# Allegro board reComputer Industrial J201_V1.2.brd (continued)
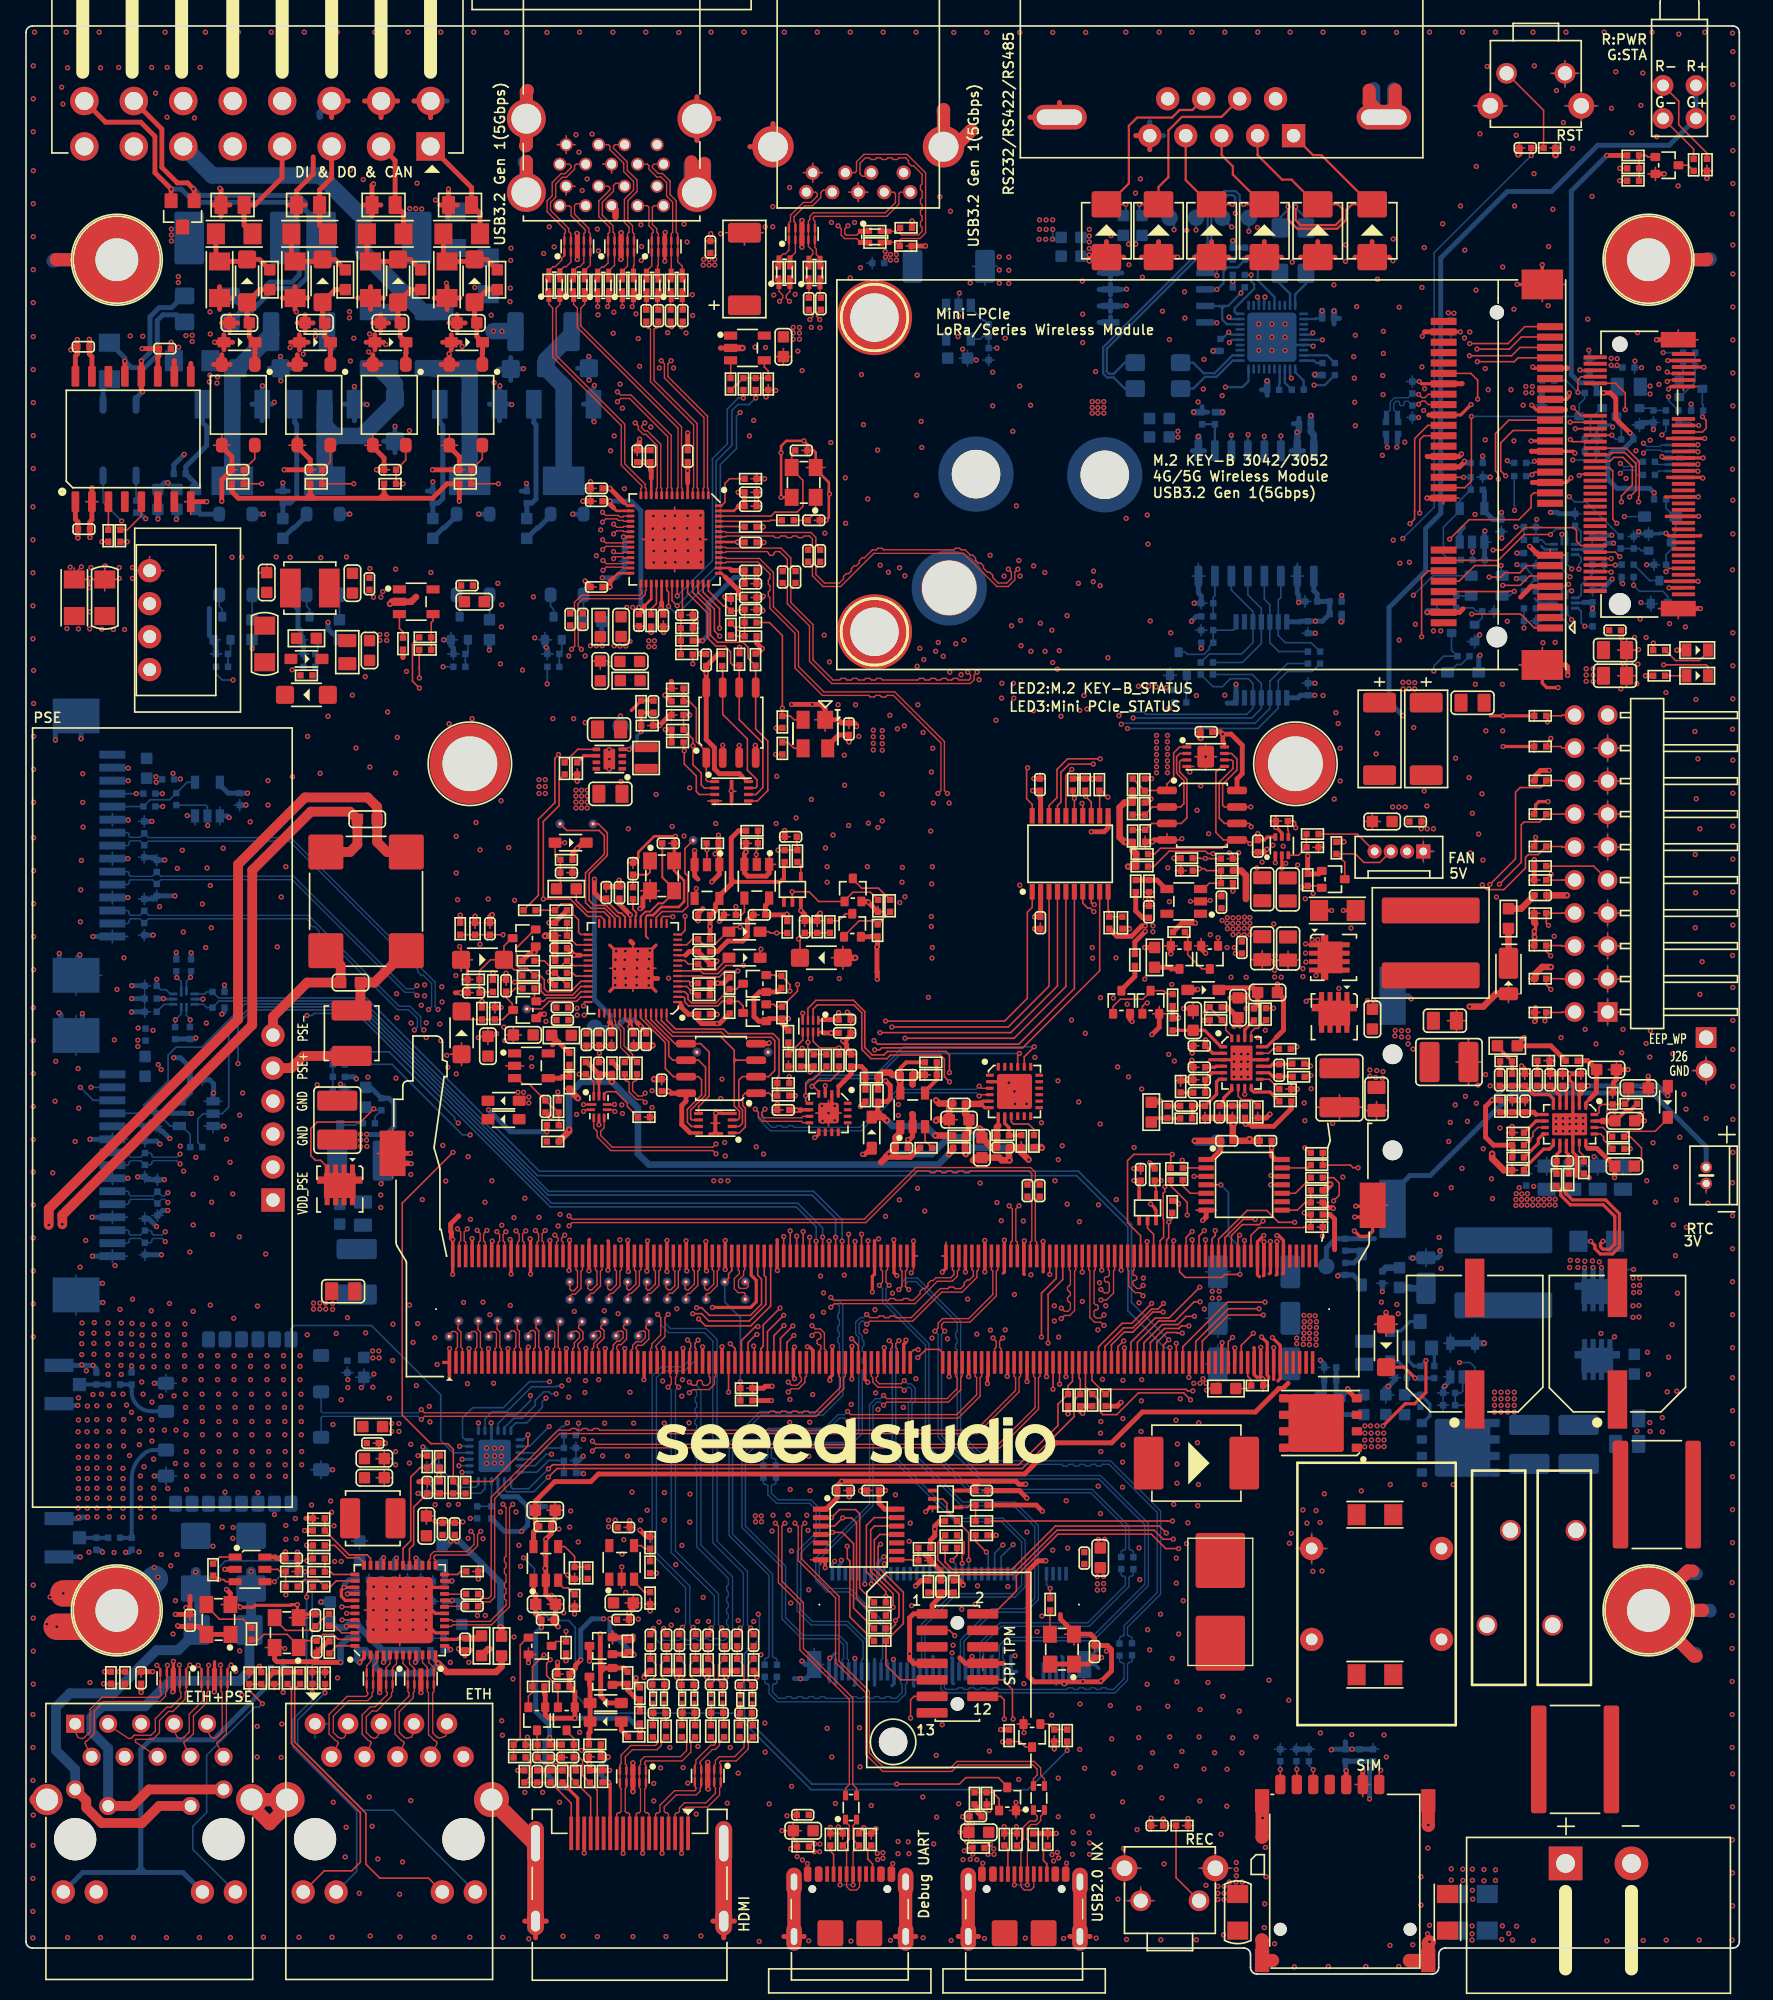
[diagram p0: board, top side]
## Routing (per net, layer and track width the routed paths; a pad name or vN(x,y) marks a point on that pad's centre or on a via; arc(x,y) is an arc through that point) (continued)
GND_DI: length 98.1
  TOP w0.381: 20.88,127.14 C11.2 ; C11.2 22.12,127.14 ; C11.2 21.5,127.76 ; C11.2 21.5,126.51 ; 14.57,125.65 D15.1 ; D15.1 15.93,125.65 ; D15.1 15.25,125.07 ; D15.1 15.25,126.23 ; R9.2 v1(32.55,137.43) ; R9.2 31.87,136.22 ; R9.2 33.24,136.22 ; R9.2 32.55,135.34 ; Q4.2 26.72,124.69 ; Q4.2 26.09,123.94 ; Q4.2 27.35,123.94 ; D18.1 32.77,126.23 ; D18.1 32.77,125.07 ; D18.1 32.1,125.65 ; D18.1 33.45,125.65 ; 31.45,129.05 R26.2 ; R26.2 33.43,129.05 ; R26.2 32.44,128.17 ; R26.2 32.44,129.93 ; D17.1 27.56,125.65 ; D17.1 26.88,125.07 ; D17.1 26.2,125.65 ; D17.1 26.88,126.23 ; 25.55,129.05 R24.2 ; R24.2 26.55,129.93 ; R24.2 27.54,129.05 ; R24.2 26.55,128.17 ; 20.84,135.34 R7.2 ; R7.2 20.84,137.32 22.13,138.61 22.13,139.92 ; R7.2 21.53,136.22 ; R7.2 20.16,136.22 ; 15.06,127.14 C10.2 ; C10.2 15.69,127.76 ; C10.2 15.69,126.51 ; C10.2 16.31,127.14 ; R8.2 27.35,136.22 ; R8.2 25.97,136.22 ; R8.2 26.66,135.34 ; R8.2 26.66,137.73 v1(26.78,137.84) ; 31.17,142.94 J2.2 29.89,144.22 ; C12.2 27.32,127.76 ; C12.2 26.7,127.14 ; C12.2 27.32,126.51 ; C12.2 27.94,127.14 ; 21.07,125.07 D16.1 ; D16.1 20.39,125.65 ; D16.1 21.07,126.23 ; D16.1 21.74,125.65 ; 19.74,129.05 R22.2 ; R22.2 20.73,128.17 ; R22.2 20.73,129.93 ; R22.2 21.72,129.05 ; R20.2 14.91,129.93 ; R20.2 14.91,128.17 ; R20.2 15.9,129.05 ; 14.45,123.94 Q2.2 ; Q2.2 15.09,124.69 ; Q2.2 15.72,123.94 ; 24.83,144.22 J2.6 23.55,142.94 ; 14.34,136.22 R6.2 ; R6.2 15.03,137.4 v1(14.93,137.5) ; R6.2 15.71,136.22 ; R6.2 15.03,135.34 ; Q3.2 20.9,124.69 ; Q3.2 21.54,123.94 ; Q3.2 20.27,123.94 ; C13.2 33.21,127.76 ; C13.2 33.83,127.14 ; C13.2 32.59,127.14 ; C13.2 33.21,126.51 ; J2.4 28.64,144.22 ; J2.4 26.08,144.22 ; J2.4 27.36,142.94 ; Q5.2 33.25,123.94 ; Q5.2 31.98,123.94 ; Q5.2 32.61,124.69
  GND02 w0.381: 26.08,144.22 J2.4 ; J2.4 27.36,142.94 ; J2.4 28.64,144.22 ; 31.17,142.94 J2.2 29.89,144.22 ; 24.83,144.22 J2.6 23.55,142.94
  LAY3 w0.381: 31.17,142.94 J2.2 29.89,144.22 ; J2.4 28.64,144.22 ; J2.4 26.08,144.22 ; J2.4 27.36,142.94 ; 24.83,144.22 J2.6 23.55,142.94
  BOTTOM w0.381: 23.55,142.94 J2.6 24.83,144.22 ; 29.89,144.22 J2.2 ; J2.2 31.17,142.94 ; J2.2 32.45,144.22 ; 27.36,142.94 J2.4 ; J2.4 28.64,144.22 ; J2.4 26.08,144.22
  BOTTOM w0.508: J2.6 22.64,143.31 22.64,143.02
  vias: v1(14.18,127.99) v1(14.2,126.28) v1(14.53,125.65) v1(20.35,125.24) v1(20.83,127.99) v1(21.37,124.73) v1(25.01,138.93) v1(25,124.2) v1(25.25,125.95) v1(25.99,138.17) v1(26.39,124.91) v1(26.47,126.28) v1(27.72,125.47) v1(30.13,137.89) v1(31.55,136.6) v1(32.39,130.2) v1(32.59,124.76) v1(33.61,125.32)
GND_DO: length 42.5
  PWR05 w1.27: 16.95,142.84 15.93,143.86 J2.10 ; J2.10 15.91,144.22 15.04,143.35 ; J2.10 J2.8 19.74,143.53 18.83,142.62
  BOTTOM w0.381: Q31.3 18.2,122.16 ; Q31.3 18.98,120.88 ; Q31.3 17.42,120.88 ; Q31.3 18.2,119.6 ; 43.72,119.6 Q28.3 ; Q28.3 42.95,120.88 ; Q28.3 43.72,122.16 ; 27.55,118.02 D62.1 ; D62.1 28.43,118.9 ; D62.1 28.43,117.15 ; D62.1 29.3,118.02 ; 30.92,114.19 R312.2 31.35,114.62 ; D64.1 38.22,123.59 ; D64.1 37.35,122.71 ; D64.1 36.47,123.59 ; D64.1 37.35,124.47 ; 25.31,119.6 Q30.3 ; Q30.3 25.31,122.16 ; Q30.3 24.53,120.88 ; Q30.3 26.09,120.88 ; D61.1 43.37,124.52 ; D61.1 43.37,122.76 ; D61.1 42.49,123.64 ; 35.71,120.88 Q29.3 ; Q29.3 36.49,119.6 ; Q29.3 37.26,120.88 ; Q29.3 36.49,122.16 ; 19.62,122.76 D63.1 ; D63.1 20.49,123.64 ; D63.1 18.74,123.64 ; D63.1 19.62,124.52 ; R313.2 19.79,114.62 ; R313.2 19.36,114.19 ; R313.2 20.22,114.19 ; R314.2 11.39,116.21 v1(12.2,117.01) ; 38.58,114.62 R311.2 38.16,114.19
  vias: v1(14.18,123.11) v1(14.13,122.6) v1(14.71,122.5) v1(14.76,122.98) v1(18.22,122.3) v1(19.13,121.03) v1(19.61,124.56) v1(19.64,122.68) v1(19.79,114.83) v1(25.3,122.25) v1(26.27,120.85) v1(28.43,119.17) v1(29.54,118.84) v1(31.35,114.9) v1(34.57,129.87) v1(35.84,127.73) v1(36.07,122.55) v1(36.5,122.3) v1(37.32,129.81) v1(37.29,128.77) v1(37.42,120.85) v1(38.33,123.62) v1(38.56,114.78) v1(43.36,124.56) v1(43.39,122.73) v1(43.79,122.32) v1(43.77,119.53)
GND_ISO: length 16.9
  TOP w0.381: U7.10 11.43,124.22 11.43,124.23 ; U7.15 5.08,124.54 4.89,124.74 C14.2 v1(4.89,125.87) ; 12.7,124.02 U7.9
  GND02 w0.381: 12.12,142.94 J2.12 ; J2.12 10.84,144.22 ; J2.12 12.12,145.5 ; J2.12 13.4,144.22
  GND02 w0.762: 8.26,102.53 9.08,102.53 U10.3 9.03,103.47 8.13,103.47
  GND02 w1.016: 10.77,142.97 v1(10.87,142.97) J2.12
  BOTTOM w0.127: 79.36,133.49 79.15,133.49 v1(79.07,133.57) ; 79.36,133.49 79.7,133.49 79.78,133.42 ; 79.36,133.49 79.36,133.52 79.1,133.78 v1(79.1,134.34)
  vias: v1(2.75,145.28) v1(2.85,143.99) v1(3.2,146.78) v1(3.15,103.6) v1(4.04,103.58) v1(4.47,146.78) v1(4.91,104.9) v1(4.91,103.58) v1(5.74,146.78) v1(5.85,103.55) v1(6.73,103.53) v1(7.14,146.81) v1(7.6,103.53) v1(8.03,126.13) v1(8.41,146.81) v1(9,126.11) v1(9.68,146.81) v1(9.99,144.83) v1(10.88,146.81) v1(11.21,134.36) v1(11.21,133.9) v1(11.21,133.45) v1(11.18,125.65) v1(11.76,125.27) v1(12.15,146.81) v1(12.32,126.16) v1(12.81,126.18) v1(12.81,125.7) v1(12.98,142.92) v1(13.42,146.81) v1(21.7,95.3) v1(23.27,96.85) v1(25.15,98.47) v1(26.14,99.89) v1(29.57,135.94) v1(30.03,135.94) v1(30.48,135.91) v1(78.08,135.07) v1(78.08,134.34) v1(78.06,133.57) v1(78.59,135.07) v1(78.59,134.34) v1(78.57,133.57) v1(79.1,135.07)
GND_SHD: length 754.6
  TOP w0.381: 81.98,2.89 J19.S3 80.42,2.89 ; 55.77,140.71 J3.10 57.55,142.48 ; J4.20 51.69,144.54 ; J4.20 51.69,141.18 ; J4.20 53.37,142.86 ; J16.22 54.59,4.07 ; J16.22 53.76,2.8 ; J16.22 52.93,4.07 ; 59.95,2.89 J18.S1 58.39,2.89 ; 73.38,2.89 J19.S1 71.82,2.89 ; 79.62,144.1 J1.10 77.34,142.97 ; J16.23 40.09,4.07 ; J16.23 39.26,2.8 ; J16.23 38.43,4.07 ; 68.55,2.89 J18.S3 66.99,2.89
  TOP w1.016: 51.26,139.54 51.26,137.61 J4.19 52.25,137.74 52.25,139.42 ; 105.49,145.08 105.49,143.85 J1.11 103.48,144.1 103.48,145.06 ; J18.S1 J18.S2 ; 129.49,132.05 129.44,132 MH2.1 ; 38.48,140.76 38.55,140.83 J4.21 38.55,144.94 38.64,145.03 ; MH8.1 129.15,28 129.16,28.01 ; MH8.1 128.52,24.48 128.68,24.48 ; MH8.1 128.03,31.03 128.4,31.03 ; J18.S3 J18.S4 ; 108.06,11.45 v1(108.04,11.47) J15.G2 ; J4.22 38.55,139.56 38.56,139.57 ; v1(108.13,2.48) 108.04,2.39 J15.G3 106.59,1.04 106.58,1.04 ; 2.34,132.02 2.36,132 MH1.1 ; 0.79,13.43 0.79,13.43 J13.19 ; J19.S3 J19.S4 ; J19.S1 J19.S2 ; 70.69,143.56 70.69,143.55 J3.11 71.58,140.71 72.83,141.96 ; 95.23,10.53 95.24,10.54 J15.G1 ; 95.2,2.64 95.24,2.6 J15.G4 96.04,1.04 ; J14.15 20.11,12.91 18.77,11.58 17.38,12.97 J13.20 J14.15
  TOP w1.27: J16.22 J16.20 ; J16.23 J16.21 39.22,10.07 J14.16
  TOP w2.032: v1(2.87,29.31) 5.69,29.31 MH7.1 5.74,26.74 v1(2.37,26.74)
  GND02 w0.381: 71.82,2.89 J19.S1 73.38,2.89 ; 80.42,2.89 J19.S3 81.98,2.89 ; 39.26,2.8 J16.23 ; J16.23 40.09,4.07 ; J16.23 38.43,4.07 ; 53.76,2.8 J16.22 ; J16.22 52.93,4.07 ; J16.22 54.59,4.07 ; 51.69,141.18 J4.20 ; J4.20 51.69,144.54 ; J4.20 53.37,142.86 ; 58.39,2.89 J18.S1 59.95,2.89 ; 66.99,2.89 J18.S3 68.55,2.89 ; 79.62,144.1 J1.10 77.34,142.97 ; 55.77,140.71 J3.10 57.55,142.48 ; 38.55,144.54 J4.21 38.55,141.18
  GND02 w1.016: J4.22 38.56,137.19 38.56,139.52 ; MH1.1 6.95,131.95 2.11,131.95 ; J18.S1 J18.S2 ; 129.65,131.95 125.05,131.95 MH2.1 ; MH8.1 128.42,24.58 128.5,24.58 ; MH8.1 129.05,28 129.21,27.83 ; MH8.1 127.88,30.88 128.76,30.88 ; J19.S1 J19.S2 ; 70.46,143.68 70.69,143.46 J3.11 71.45,140.71 72.8,142.06 ; 105.54,145.26 105.54,143.9 J1.11 103.53,144.05 103.53,145.16 ; J19.S3 J19.S4 ; 51.36,139.49 51.36,137.51 J4.19 52.23,137.72 52.23,139.44 ; J18.S3 J18.S4 ; 17.38,12.97 18.77,11.58 20.11,12.91 J14.15 J13.20 17.38,12.97
  GND02 w1.27: J16.23 J16.21 39.22,10.07 J14.16 ; J16.22 J16.20
  GND02 w2.032: v1(2.87,29.31) 5.69,29.31 MH7.1 5.74,26.74 v1(2.37,26.74)
  LAY3 w0.381: 73.38,2.89 J19.S1 71.82,2.89 ; 59.95,2.89 J18.S1 58.39,2.89 ; 38.55,144.54 J4.21 38.55,141.18 ; J16.22 54.59,4.07 ; J16.22 52.93,4.07 ; J16.22 53.76,2.8 ; 81.98,2.89 J19.S3 80.42,2.89 ; 55.77,140.71 J3.10 57.55,142.48 ; J4.20 51.69,144.54 ; J4.20 51.69,141.18 ; J4.20 53.37,142.86 ; 66.99,2.89 J18.S3 68.55,2.89 ; 77.34,142.97 J1.10 79.62,144.1 ; J16.23 40.09,4.07 ; J16.23 39.26,2.8 ; J16.23 38.43,4.07
  LAY3 w1.016: 2.34,132.07 6.93,132.07 MH1.1 ; J18.S3 J18.S4 ; 129.57,131.97 125.03,131.97 MH2.1 ; J18.S1 J18.S2 ; 105.67,145.08 105.67,144.03 J1.11 103.56,144.03 103.56,145.36 ; J19.S1 J19.S2 ; 72.9,142.16 71.45,140.71 J3.11 70.69,143.55 70.72,143.58 ; 128.53,31.08 128.08,31.08 MH8.1 ; J19.S3 J19.S4 ; 128.58,24.63 128.37,24.63 MH8.1 ; MH8.1 129.12,28 129.26,27.86 ; J4.22 38.56,137.19 38.56,139.52 ; 52.18,139.42 52.18,137.67 J4.19 51.26,137.61 51.26,139.29 ; 17.38,12.97 J13.20 J14.15 20.11,12.91 18.77,11.58 17.38,12.97
  LAY3 w1.27: J14.16 39.22,10.07 J16.21 J16.23 ; J16.22 J16.20
  LAY3 w2.032: v1(2.87,29.31) 5.69,29.31 MH7.1 5.74,26.74 v1(2.37,26.74)
  LAY4 w0.381: 55.77,140.71 J3.10 57.55,142.48 ; 66.99,2.89 J18.S3 68.55,2.89 ; 53.76,2.8 J16.22 ; J16.22 54.59,4.07 ; J16.22 52.93,4.07 ; 79.62,144.1 J1.10 77.34,142.97 ; 38.43,4.07 J16.23 ; J16.23 40.09,4.07 ; J16.23 39.26,2.8 ; 59.95,2.89 J18.S1 58.39,2.89 ; J4.20 51.69,144.54 ; J4.20 51.69,141.18 ; J4.20 53.37,142.86 ; 71.82,2.89 J19.S1 73.38,2.89 ; 38.55,141.18 J4.21 38.55,144.54 ; 80.42,2.89 J19.S3 81.98,2.89
  LAY4 w1.016: MH8.1 128.54,24.46 129.04,24.46 ; MH8.1 127.7,30.7 129.09,30.7 ; MH8.1 129.38,28 129.39,28.01 ; 2.34,132 7,132 MH1.1 ; MH2.1 125,132 129.52,132 ; 38.71,139.69 38.71,137.34 J4.22 ; J18.S1 J18.S2 ; 105.64,145.18 105.64,144 J1.11 103.66,143.93 103.66,145.28 ; J19.S3 J19.S4 ; 72.75,142.01 71.45,140.71 J3.11 70.69,143.33 70.79,143.43 ; MH7.1 0.83,28 0.82,28.01 ; 51.21,139.44 51.21,137.66 J4.19 52.25,137.74 52.25,139.36 ; J19.S1 J19.S2 ; J18.S3 J18.S4 ; 20.11,12.91 J14.15 J13.20 17.38,12.97 18.77,11.58 20.11,12.91
  LAY4 w1.27: J14.16 39.22,10.07 J16.21 J16.23 ; J16.22 J16.20
  LAY4 w2.032: MH7.1 5.89,26.89 2.24,26.89 ; MH7.1 5.97,29.03 v1(1.86,29.03) ; MH7.1 7.59,28 v1(10.16,30.58)
  PWR05 w0.381: 66.99,2.89 J18.S3 68.55,2.89 ; 59.95,2.89 J18.S1 58.39,2.89 ; 79.62,144.1 J1.10 77.34,142.97 ; 73.38,2.89 J19.S1 71.82,2.89 ; J4.20 51.69,144.54 ; J4.20 53.37,142.86 ; J4.20 51.69,141.18 ; J16.23 40.09,4.07 ; J16.23 39.26,2.8 ; J16.23 38.43,4.07 ; 55.77,140.71 J3.10 57.55,142.48 ; J16.22 54.59,4.07 ; J16.22 53.76,2.8 ; J16.22 52.93,4.07 ; 80.42,2.89 J19.S3 81.98,2.89 ; 38.55,144.54 J4.21 38.55,141.18
  PWR05 w1.016: 128.73,24.51 128.49,24.51 MH8.1 ; 129.7,131.9 125.1,131.9 MH2.1 ; 51.29,139.44 51.29,137.58 J4.19 52.28,137.77 52.28,139.44 ; J19.S3 J19.S4 ; 2.16,131.92 6.92,131.92 MH1.1 ; 70.87,143.43 70.69,143.25 J3.11 71.45,140.71 72.72,141.98 ; 128.63,30.86 127.86,30.86 MH8.1 ; J4.22 38.61,137.24 38.61,139.52 ; J18.S1 J18.S2 ; 129.14,28.09 129.05,28 MH8.1 ; J18.S3 J18.S4 ; 103.66,145.16 103.66,143.93 J1.11 105.62,143.98 105.62,145.23 ; J19.S1 J19.S2 ; J14.15 20.11,12.91 18.77,11.58 17.38,12.97 J13.20 J14.15
  PWR05 w1.27: J16.23 J16.21 39.22,10.07 J14.16 ; J16.22 J16.20
  PWR05 w2.032: MH7.1 5.94,26.94 v1(1.6,26.94) ; MH7.1 5.74,29.26 1.81,29.26 ; MH7.1 7.51,28 10.14,30.63
  BOTTOM w0.381: J16.23 40.09,4.07 ; J16.23 38.43,4.07 ; J16.23 39.26,2.8 ; 38.55,141.18 J4.21 38.55,144.54 ; 77.34,142.97 J1.10 79.62,144.1 ; J4.20 53.37,142.86 ; J4.20 51.69,144.54 ; J4.20 51.69,141.18 ; 73.38,2.89 J19.S1 71.82,2.89 ; 81.98,2.89 J19.S3 80.42,2.89 ; 52.93,4.07 J16.22 ; J16.22 53.76,2.8 ; J16.22 54.59,4.07 ; 59.95,2.89 J18.S1 58.39,2.89 ; 57.55,142.48 J3.10 55.77,140.71 ; 68.55,2.89 J18.S3 66.99,2.89
  BOTTOM w1.016: 128.68,30.83 127.83,30.83 MH8.1 ; J19.S1 J19.S2 ; MH2.1 129.7,132 129.77,132.07 ; 70.64,143.43 70.69,143.38 J3.11 71.55,140.71 72.85,142.01 ; 105.36,145.16 105.36,143.72 J1.11 103.84,143.75 103.84,145.18 ; MH8.1 128.32,24.68 128.63,24.68 ; MH8.1 129.71,28 129.75,27.96 ; J18.S1 J18.S2 ; J4.22 38.55,139.35 38.38,139.52 ; 51.16,139.31 51.16,137.71 J4.19 52.28,137.77 52.28,139.42 ; MH1.1 2.19,132 2.09,131.9 ; J18.S3 J18.S4 ; J19.S3 J19.S4 ; 20.11,12.91 18.77,11.58 17.38,12.97 J13.20 J14.15 20.11,12.91
  BOTTOM w1.27: J16.22 J16.20 ; J16.23 J16.21 39.22,10.07 J14.16
  BOTTOM w2.032: v1(2.87,29.31) 5.69,29.31 MH7.1 ; MH7.1 5.74,26.74 v1(2.37,26.74) ; MH7.1 7.51,28 9.94,30.42
  vias: v1(0.56,146.93) v1(0.56,144.39) v1(0.56,141.85) v1(0.56,138.86) v1(0.56,136.32) v1(0.56,133.78) v1(0.56,131.24) v1(0.56,128.7) v1(0.56,126.08) v1(0.56,123.54) v1(0.56,121) v1(0.56,118.46) v1(0.56,115.92) v1(0.54,112.97) v1(0.54,110.43) v1(0.54,107.89) v1(0.54,105.35) v1(0.54,102.81) v1(0.59,100.38) v1(0.59,97.84) v1(0.59,95.3) v1(0.59,92.76) v1(0.59,90.22) v1(0.59,87.5) v1(0.59,84.96) v1(0.59,82.42) v1(0.59,79.88) v1(0.59,77.34) v1(0.56,74.42) v1(0.56,71.88) v1(0.56,69.34) v1(0.56,66.8) v1(0.56,64.26) v1(0.56,61.77) v1(0.56,59.23) v1(0.56,56.69) v1(0.56,54.15) v1(0.56,51.61) v1(0.56,49.07) v1(0.56,29.94) v1(0.56,27.4) v1(0.56,24.86) v1(0.56,22.32) v1(0.54,19.98) v1(0.54,17.44) v1(0.54,14.9) v1(0.56,12.24) v1(0.54,9.9) v1(0.54,7.36) v1(0.54,4.82) v1(0.54,2.78) v1(0.66,149.52) v1(3.1,149.52) v1(3.2,2.81) v1(5.64,149.52) v1(5.74,2.81) v1(8.18,149.52) v1(8.28,2.81) v1(9.88,31.31) v1(10.42,32.3) v1(10.72,149.52) v1(10.82,2.81) v1(11.15,31.44) v1(11.64,32.3) v1(13.36,2.81) v1(13.82,149.52) v1(14.41,32.94) v1(15.12,34.41) v1(15.75,2.81) v1(15.96,34.39) v1(15.93,33.55) v1(16.36,149.52) v1(18.29,2.83) v1(18.9,149.52) v1(21.04,2.83) v1(21.44,149.52) v1(23.58,2.83) v1(23.98,149.52) v1(26.52,2.93) v1(26.88,149.52) v1(28.81,2.86) v1(29.44,149.52) v1(31.45,2.83) v1(31.96,149.52) v1(34.19,2.83) v1(34.5,149.52) v1(36.73,2.83) v1(37.04,149.5) v1(38.74,2.71) v1(40.14,149.5) v1(41.38,2.91) v1(42.65,149.52) v1(44.02,2.88) v1(45.22,149.52) v1(46.77,2.88) v1(47.76,149.52) v1(49.31,2.88) v1(50.3,149.5) v1(52,2.93) v1(52.79,149.52) v1(55.33,149.52) v1(56.49,2.51) v1(58.42,149.52) v1(60.3,2.56) v1(60.96,149.52) v1(63.5,149.52) v1(63.55,2.53) v1(66.04,149.52) v1(66.6,2.59) v1(68.58,149.52) v1(69.12,2.79) v1(71.28,2.59) v1(71.48,149.5) v1(73.84,2.74) v1(74.02,149.5) v1(76.56,149.5) v1(76.99,2.76) v1(79.1,149.5) v1(79.94,2.74) v1(81.64,149.5) v1(82.45,2.76) v1(84.74,149.52) v1(84.79,2.66) v1(87.3,149.52) v1(87.43,2.64) v1(89.82,149.52) v1(90.17,2.64) v1(92.26,3.02) v1(92.36,149.52) v1(94.9,149.52) v1(95.28,12.01) v1(95.41,3.58) v1(95.48,9.75) v1(95.43,5.4) v1(95.53,7.49) v1(96.19,2.33) v1(97.39,149.52) v1(97.72,0.55) v1(99.93,149.52) v1(100.33,0.58) v1(103.05,149.5) v1(103.23,0.58) v1(105.08,2.2) v1(105.59,149.5) v1(105.77,0.58) v1(106.84,2.26) v1(107.47,7.49) v1(107.47,5.3) v1(108,9.7) v1(107.98,3.09) v1(108.13,149.52) v1(108.13,3.75) v1(110.67,149.52) v1(111.41,3.7) v1(111.41,3.09) v1(111.41,2.61) v1(113.21,149.52) v1(113.69,2.66) v1(113.75,3.7) v1(114.23,3.12) v1(114.53,2.61) v1(114.84,3.68) v1(116.11,149.52) v1(116.13,2.59) v1(118.65,149.52) v1(118.67,2.59) v1(121.59,149.52) v1(121.8,2.56) v1(124.59,2.59) v1(125.28,149.52) v1(126.37,2.61) v1(127.33,149.37) v1(128.91,2.61) v1(129.34,149.52) v1(131.47,149.45) v1(131.5,148.03) v1(131.5,145.49) v1(131.5,142.95) v1(131.5,140.41) v1(131.5,137.87) v1(131.47,135.53) v1(131.5,133.14) v1(131.5,130.91) v1(131.5,128.37) v1(131.5,125.83) v1(131.5,123.29) v1(131.5,120.75) v1(131.5,118.21) v1(131.47,115.87) v1(131.5,113.48) v1(131.5,110.89) v1(131.47,108.12) v1(131.5,103.27) v1(131.5,100.73) v1(131.5,98.19) v1(131.47,95.85) v1(131.5,93.47) v1(131.5,90.93) v1(131.5,88.39) v1(131.5,85.85) v1(131.5,83.31) v1(131.5,80.77) v1(131.47,78.43) v1(131.5,75.97) v1(131.5,73.43) v1(131.5,71.19) v1(131.5,68.35) v1(131.5,65.81) v1(131.5,63.27) v1(131.47,60.93) v1(131.47,58.39) v1(131.47,55.85) v1(131.47,53.31) v1(131.47,50.77) v1(131.47,48.23) v1(131.47,45.92) v1(131.47,43.38) v1(131.47,40.84) v1(131.47,38.3) v1(131.47,35.76) v1(131.47,33.22) v1(131.45,30.14) v1(131.45,27.6) v1(131.45,25.06) v1(131.45,22.52) v1(131.45,19.98) v1(131.45,17.44) v1(131.47,15.41) v1(131.47,12.87) v1(131.47,10.33) v1(131.47,7.79) v1(131.47,5.25) v1(131.45,2.61)
VBUS_A_EN: length 4.8
  TOP w0.127: R40.2 54.65,122.34 54.72,122.34 R41.2 R42.2 R440.1 57.18,123.44 56.88,123.75 U5.4
VBUSDET: length 5.5
  TOP w0.127: U8.37 50.57,104.77 C41.1 R54.1 R58.2 R286.2
VCC1_5V_DC1: length 24.2
  TOP w0.254: 119.68,67.71 U31.2
  TOP w0.381: 119.68,67.71 119.79,67.83 C128.1 v1(120.34,68.39) ; R194.2 114.54,62.87 114.56,62.89 114.56,63.76 R192.1 113.06,63.82 112.45,64.43 112.45,66.8 v1(112.94,67.29) R187.1 ; v1(126.48,67.64) D40.1
  BOTTOM w0.381: v1(126.48,67.64) 125.73,68.39 v1(120.34,68.39) 114.05,68.39 v1(112.94,67.29)
VCC1_5V_DC2: length 29.7
  TOP w0.254: C112.1 91.43,70.9 U25.2
  TOP w0.381: R176.2 97.48,66.63 96.13,65.27 94.47,65.27 94.29,65.45 v1(93.96,65.45) 93.92,65.49 R179.1 ; v1(90.89,71.93) 90.86,71.9 C112.1 ; v1(90.28,75.81) 90.2,75.81 90.16,75.78 D36.1 ; R104.1 v1(92.98,83.38)
  LAY3 w0.381: v1(93.96,65.45) 90.38,69.03 90.38,71.42 v1(90.89,71.93) 90.89,72.45 90.25,73.08 90.25,75.27 90.28,75.29 v1(90.28,75.81) 90.28,80.15 92.98,82.86 v1(92.98,83.38)
VCC2_DC1: length 4.9
  TOP w0.254: 120.47,67.38 120.18,67.08 U31.1
  TOP w0.381: R164.2 120.33,70.33 C120.1 121.01,68.88 120.98,68.85 120.98,67.89 120.47,67.38
VCC2_DC2: length 4.4
  TOP w0.254: U25.1 92.07,71.4 90.8,72.66 C103.1 88.85,72.66 88.84,72.66 R149.2
VDD12_SW_OUT: length 5.4
  TOP w0.254: v1(32.72,24.99) 32.44,25.27 U38.13 ; U38.31 v1(28.55,32.03) ; U38.40 v1(24.76,29.27)
  TOP w0.508: v1(35.72,25.01) 35.59,25.01 FB7.2
  BOTTOM w0.381: C282.1 32.61,24.93 32.67,24.99 v1(32.72,24.99) ; C273.1 24.83,29.34 v1(24.76,29.27) ; C270.1 28.38,31.87 v1(28.55,32.03)
  BOTTOM w0.508: FB10.2 v1(22.74,28.65)
  vias: v1(28.17,42.39) v1(28.17,41.78) v1(28.73,42.39) v1(28.73,41.78) v1(34.78,27.6) v1(35.39,27.6)
VDD25_REG_OUT: length 9.7
  TOP w0.508: v1(36.55,26.72) 36.64,26.63 FB8.2
  BOTTOM w0.254: v1(32.72,33.32) 32.74,33.32 32.8,33.27
  BOTTOM w0.508: FB9.2 32.41,33.01 v1(32.72,33.32) ; v1(33.2,33.32) 33.38,33.32 36.55,30.14 v1(36.55,26.72)
VDD_1V2: length 2.8
  TOP w0.254: C62.1 47.39,98.05 R70.1 46.64,97.3 46.64,97.3
  BOTTOM w0.381: TP46.1 v1(45.8,96.87)
VDD_1V2_FB: length 4.7
  TOP w0.254: U14.4 v1(46.46,94.3) ; C62.2 48.34,97.13 R70.2 47.4,97.12 R74.1 v1(47.4,95.67)
  BOTTOM w0.254: v1(47.4,95.67) 47.07,95.35 47.07,94.91 v1(46.46,94.3)
VDD_1V2_HUB: length 20.8
  TOP w0.203: 50.97,114.82 U8.5 ; U8.28 45.62,107.86 45.22,107.46 ; U8.12 48.17,115.17 ; U8.43 53.58,107.86 53.88,107.56 ; U8.15 46.32,113.06 46.08,113.3 ; 48.97,105.61 U8.33 ; U8.49 v1(54.82,110.26) ; U8.21 v1(46.03,110.66)
  TOP w0.381: C38.1 44.99,106.8 v1(44.99,106.8) 44.99,107.23 45.22,107.46 ; C20.1 50.98,115.77 v1(50.97,115.76) 50.97,114.82 ; 53.88,107.56 54.89,106.55 v1(54.89,105.99) C39.1 ; C31.1 54.85,110.23 v1(54.82,110.26) ; C25.1 44.99,114.39 v1(44.99,114.4) 46.08,113.3 ; 48.97,105.61 48.97,105.22 v1(48.9,105.15) 49.1,104.95 C48.1 ; C18.1 v1(47.55,116.41) C19.1 48.12,115.82 48.17,115.77 48.17,115.17
  BOTTOM w0.381: v1(46.03,110.66) 46.13,110.56 C220.1
  vias: v1(47.98,102.66) v1(47.98,102.2) v1(48.42,102.66) v1(48.42,102.2)
VDD_1V8: length 413.8
  TOP w0.203: U24.1 61.41,73.43 61.46,73.49
  TOP w0.254: C74.2 95.4,87.31 95.64,87.55 U17.6 ; 92.21,94.93 92.34,94.8 U15.8 ; C140.2 85.76,60.98 U33.5
  TOP w0.305: C151.2 72.63,37.23 72.63,37.23 U34.5
  TOP w0.381: Q6.1 99.6,84.71 R103.1 v1(98.75,86.1) ; 73.46,37.94 76.27,37.94 76.5,37.71 v1(77.02,37.71) ; 73.46,37.94 73.18,37.66 73.16,37.66 ; 73.46,37.94 73.16,37.94 ; 73.16,37.66 72.88,37.94 ; 73.16,37.66 C151.2 ; 73.16,37.66 73.16,37.94 73.16,37.94 ; 72.88,37.94 v1(62.84,37.94) 62.51,37.61 C298.2 62.51,36.67 61.63,35.79 U57.1 ; 72.88,37.94 73.16,37.94 ; C67.1 92.03,95.65 v1(92.21,95.47) ; v1(62.61,74.03) C102.1 61.46,73.49 ; v1(86.24,80.28) 85.43,79.48 R443.1 ; 21.6,113.63 16.36,113.63 15.85,114.14 R44.1 ; 21.6,113.63 21.9,113.94 ; 21.6,113.63 21.95,113.63 ; R433.1 71.92,30.3 72.19,30.03 v1(72.19,29.94) ; R437.1 v1(88.45,85.92) ; U58.1 91.32,62.72 92.05,63.44 C299.2 ; R447.1 v1(57.43,44.16) ; v1(123.57,118.66) 122.48,119.76 122.48,121.33 122.06,121.75 v1(121.53,121.75) ; U18.2 78.17,82 78.15,81.98 C86.2 77.71,81.41 v1(77.7,81.4) ; U16.8 93.3,92.02 93.7,92.43 93.7,94.61 92.84,95.47 v1(92.21,95.47) ; v1(121.8,140.03) R1.1 ; 21.9,113.94 21.9,113.68 21.95,113.63 ; 21.9,113.94 R45.1 ; 21.9,113.94 22.2,113.63 ; R143.1 58.24,73.17 58.74,72.68 R154.2 ; R143.1 v1(58.74,73.56) ; R143.1 57.22,73.56 Q15.1 56.45,73.37 56.09,73.73 56.09,75.18 56.53,75.62 Q13.1 57.89,75.62 R134.1 ; R115.1 84.04,79.9 84.31,79.9 85.17,79.9 85.98,80.72 v1(86.24,80.72) ; R46.1 27.59,113.96 ; 27.59,113.96 27.26,113.63 ; 27.59,113.96 27.59,113.64 ; 27.59,113.96 27.92,113.63 ; 21.95,113.63 22.2,113.63 ; 27.26,113.63 22.2,113.63 ; 27.26,113.63 27.59,113.63 ; C74.2 v1(94.9,87.8) ; C83.1 86.03,81.33 85.5,81.86 R105.1 ; R213.1 70.4,34.88 70.02,34.5 v1(70.02,34.26) 70.02,33.74 69.68,33.4 R427.1 ; R399.1 46.99,22.37 v1(46.99,22.8) ; 27.92,113.63 27.59,113.63 ; 27.92,113.63 31.32,113.63 32.44,114.75 R47.1 v1(33.39,113.41) ; C140.2 v1(85.36,61.1) ; v1(92.21,95.47) 92.21,94.93 ; R242.1 v1(41.61,24.12)
  TOP w0.508: C299.2 v1(90.05,64.16) ; v1(84.9,85.28) R99.1 R95.1 85.26,86.51 R89.1 v1(84.77,87.17) 84.63,87.17 84.26,87.54 84.26,89.83 84.63,90.2 R84.1 R82.1 85.26,91.13 ; v1(100.49,60.8) 100.03,60.35 R429.1
  LAY3 w0.381: v1(77.02,37.71) 73.47,37.71 v1(70.02,34.26) 70.02,32.12 v1(72.19,29.94) 72.19,29.15 68.51,25.47 42.9,25.47 41.98,24.54 41.98,24.49 v1(41.61,24.12) ; v1(62.18,87.7) 62.18,90.34 57.24,95.28 57.24,103.51 56.49,104.26 52.53,104.26 48.49,100.22 39.45,100.22 37.9,101.77 37.9,111.15 35.64,113.41 v1(33.39,113.41) ; v1(79.56,49.04) 79.56,49.07 78.69,49.93 78.69,52.6 79.65,53.55 79.65,57.11 79.28,57.48 v1(79.28,61.08)
  LAY4 w0.381: v1(86.24,80.72) 85.93,81.02 78.08,81.02 v1(77.7,81.4) ; v1(128.29,120.89) 125.8,120.89 v1(123.57,118.66) ; v1(98.75,86.1) 97.27,87.57 95.65,87.57 95.42,87.8 v1(94.9,87.8) v1(91.11,87.8) ; v1(62.18,87.7) 62.72,87.17 v1(84.77,87.17) ; v1(41.61,24.12) 42.93,22.8 v1(46.99,22.8) ; v1(57.43,44.16) 57.43,43.12 58.65,41.9 60.76,41.9 62.84,39.82 v1(62.84,37.94) ; v1(85.36,61.1) 84.84,61.1 84.82,61.08 v1(79.28,61.08) ; v1(125.43,114.06) 125.43,110.46 123.02,108.05 v1(123.02,107.06) 122.89,107.06 122.56,106.73 121.82,106.73 121.18,106.09 121.18,103.93 118.8,101.54 v1(112.02,101.54) 105.9,101.54 102.8,98.45 v1(99.93,98.45) ; v1(79.56,49.04) 80.7,47.9 80.7,44.42 77.02,40.74 v1(77.02,37.71) ; v1(84.84,74.67) 84.47,74.3 65.29,74.3 64.47,73.48 62.95,73.48 62.61,73.82 v1(62.61,74.03) 62.24,74.39 62.23,74.39 62.01,74.62 59.7,74.62 59.11,74.02 59.11,73.93 v1(58.74,73.56)
  LAY4 w0.508: v1(100.49,60.8) 98.15,60.8 96.3,62.66 v1(89.08,62.66)
  BOTTOM w0.381: R317.1 v1(125.43,114.06) 125.1,114.4 122.58,114.4 121.87,115.11 121.87,116.91 122.3,117.34 123.01,117.34 R306.1 123.83,118.41 v1(123.57,118.66) ; R345.1 v1(90.54,102.08) ; v1(123.02,107.06) 122.93,107.14 R331.1 ; U47.1 97.99,98.26 98.19,98.47 C229.1 v1(99.29,98.47) ; v1(112.02,101.54) 111.92,101.45 D101.1 ; v1(121.8,140.03) 119.05,137.29 119.05,123.16 119.69,122.52 120.7,122.52 121.01,122.22 R294.1 v1(121.53,121.75) ; R295.1 v1(128.29,120.89)
  BOTTOM w0.508: TP47.1 90.18,64.03 v1(90.05,64.16) ; v1(101.32,104.13) 101.36,104.17 R337.1
  vias: v1(86.82,80.72) v1(86.82,80.26)
VDD_1V8_5V: length 18
  LAY4 w0.381: v1(89.79,104.16) 90.61,104.16 90.61,104.17 v1(99.34,104.17)
  BOTTOM w0.381: U44.1 99.22,106.51 99.48,106.25 C225.1 R334.2 R337.2 99.88,104.17 v1(99.34,104.17) C228.1 98.19,104.17 98.14,104.11 U47.14 ; R338.1 90.17,104.54 v1(89.79,104.16)
VDD_1V8_DISCHG: length 2.3
  TOP w0.381: R443.2 85.43,76.82 84.39,75.78 Q51.3
VDD_1V8_FB: length 2.7
  TOP w0.381: U22.4 87.83,83.55 87.14,84.23 R106.1 R105.2
VDD_3V3_DISCHG: length 2
  TOP w0.381: Q10.3 88.23,77.39 88.11,77.52 R127.2
VDD_3V3_HDMI: length 25.8
  TOP w0.381: v1(46.84,24.58) 46.64,24.78 R240.1 46.19,24.63 Q19.1 ; R255.1 39.94,21.57 40.01,21.51 Q21.1 40.01,19.97 40.28,19.7 v1(42.29,19.7) Q22.1 42.29,21.73 R256.1 C182.1 42.33,23.56 42.33,23.77 v1(42.74,24.18) ; R398.2 v1(47.3,18.84) 47.3,18.83 R258.1
  BOTTOM w0.381: v1(42.74,24.18) 42.74,26.5 43.59,27.35 v1(44.5,27.35) ; v1(44.99,27.35) 44.99,26.44 v1(46.84,24.58) ; v1(47.3,18.84) 46.44,19.7 v1(42.29,19.7)
VDD_3V3_HUB: length 29.8
  TOP w0.203: U8.16 45.5,112.66 45.27,112.9 ; 54.88,113 54.54,112.66 U8.55 ; 54.31,108.15 54.19,108.26 U8.44 ; U8.31 48.17,105.87 47.63,105.33
  TOP w0.381: 45.27,112.9 44.99,113.18 v1(44.99,113.41) 44.99,113.4 C27.1 ; C47.1 47.63,105.12 47.63,105.33 ; v1(54.87,114.09) C26.1 C28.1 54.91,113.03 54.88,113 ; v1(52.13,102.66) R58.1 ; C37.1 v1(55.36,107.54) C34.1 54.38,108.07 54.31,108.15
  BOTTOM w0.381: v1(47.22,105.23) 47.37,105.38 47.37,112.67 46.64,113.41 v1(44.99,113.41) ; v1(55.36,107.54) 54.56,107.54 52.56,105.53 52.56,103.09 v1(52.13,102.66)
  vias: v1(46.28,105.23) v1(46.74,105.23)
VDD_3V3_SYS: length 211.5
  TOP w0.127: v1(98.99,69.18) 98.89,69.08 R166.1
  TOP w0.254: U12.8 55.57,91.82 55.17,92.23 ; U38.39 v1(24.51,29.77) 24.3,29.56 24.3,29.08 24.61,28.77 U38.41 ; R112.2 v1(100.59,81.89) ; U38.33 v1(27.55,32.06) ; U38.28 v1(30.05,32.02)
  TOP w0.381: R75.1 R395.1 v1(49.25,95.82) ; v1(19.99,32.5) C162.1 19.33,32.01 19.23,32.11 U37.6 ; U13.4 61.77,94.57 62.61,95.41 C63.1 v1(63.4,94.87) ; U58.14 96.26,62.72 95.97,63.01 95.97,63.62 v1(95.97,63.62) C301.1 ; U57.14 66.16,35.79 65.72,36.24 C300.1 v1(66.22,37.23) ; R52.2 v1(48.17,103.3) ; R121.1 v1(33.46,81.53) ; OSC2.4 OSC2.1 81.82,23.86 C179.1 v1(82.87,24.37) ; v1(18.7,22.91) 18.75,22.91 19.1,23.25 D100.2 R270.2 R271.2 ; OSC1.1 OSC1.4 13.29,26.77 C178.1 11.74,26.77 v1(11.69,26.82) ; R204.1 84.07,43.73 v1(84.36,44.01) ; R57.1 56.28,102.49 v1(56.72,102.05) 56.34,101.67 R61.1 ; v1(68.53,29.88) 68.95,30.3 R432.1 ; R79.1 R80.1 82.15,92.05 v1(82.17,92.02) 82.2,92.05 R81.1 ; v1(64.47,63.11) 64.62,63.11 65.09,63.58 D94.1 ; v1(86.57,62.45) 86.96,62.06 R195.1 ; R217.1 v1(74.74,33.78) ; U18.19 78.17,90.51 78.12,90.55 C68.1 v1(77.55,91.12) ; LED2.1 v1(127.18,101.94) ; R127.1 v1(86.19,79.04) ; R219.2 v1(21.47,34.15) ; v1(49.23,98.47) 49.27,98.47 R69.1 ; R62.1 53.33,101.64 C55.1 52.4,100.15 v1(52.41,100.15) U11.8 52.41,95.06 53.04,94.43 53.04,92.81 53.42,92.43 54.97,92.43 55.17,92.23 ; v1(81.41,43.17) 81.22,43.37 R206.1 R203.1 ; R65.2 v1(124.77,99.97) ; R183.1 87.2,67.13 v1(87.35,67.28) ; R208.1 31.88,38.48 v1(31.83,38.43) 31.88,38.38 R209.1 ; v1(4,110.57) C30.1 4,111.82 3.81,112.02 U7.1 ; R73.1 v1(57.8,95.95) ; v1(78.31,35.63) 77.83,36.11 R212.1 ; R205.1 v1(80.28,43.14)